# Altium PCB capleak.PcbDoc (part 2 of 2)
Units mm, origin at the board's own origin, x right, y up, seen from the top; angles counter-clockwise.
Board outline 114 x 52 mm, 2 copper layers (Top Layer, Bottom Layer), stack 1.59 mm thick; 91 components, 66 nets, 452 pads, 98 vias.
Unrouted connection lines stored in the file: 26.
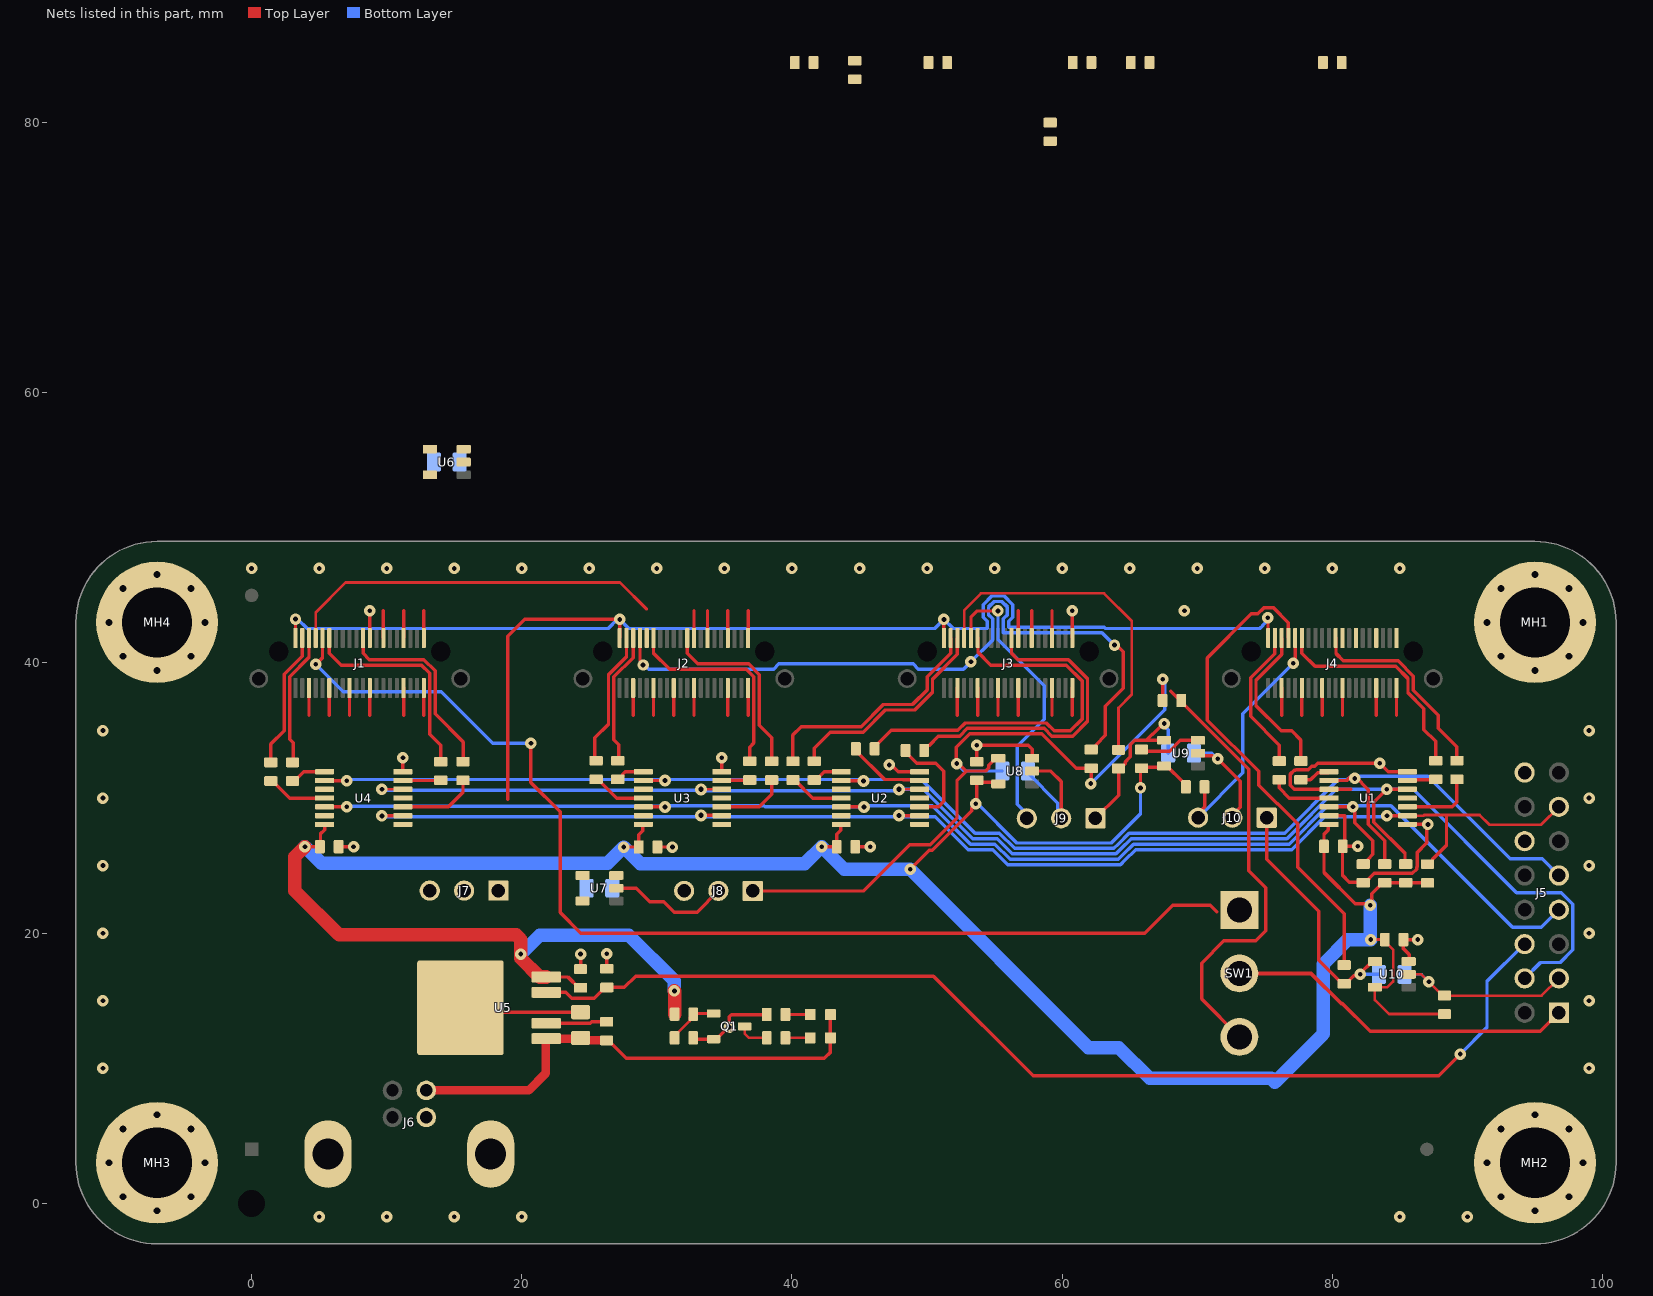
[diagram p2: the nets of this part, all layers, seen from the top]

## Via types
v1: diameter 0.85, hole 0.35, Top Layer to Bottom Layer, tented both sides, 90 vias
v2: diameter 0.889, hole 0.381, Top Layer to Bottom Layer, tented both sides, 8 vias

## Nets (pads, with @x,y where several pads share a name; then routed paths per layer and width w, separated by ;. In a path a pad name is that pad's centre, name@x,y a point inside that pad or via, vN(x,y) a via of type N, cw(c..) or ccw(c..) an arc to the next point about the centre after c; other vN are vias at no path point)
GND: C1.2 C2.1 C3.1 C4.1 C5.1 C6.2 C7.1 C8.2 C9.2 C10.2 C11.2 J1.6 J1.12 J1.18 J1.23 J1.24 J1.27 J1.33 J1.34 J1.39 J1.40 J2.6 J2.12 J2.18 J2.23 J2.24 J2.27 J2.33 J2.34 J2.39 J2.40 J3.6 J3.12 J3.18 J3.23 J3.24 J3.27 J3.33 J3.34 J3.39 J3.40 J4.6 J4.12 J4.18 J4.23 J4.24 J4.27 J4.33 J4.34 J4.39 J4.40 J5.12 J5.16 J6.4 J6.5 J6.6 MH1.1 MH2.1 MH3.1 MH4.1 Q1.2 R2.1 R5.1 R7.1 R9.1 U1.1 U1.4 U1.7 U1.10 U1.13 U2.1 U2.4 U2.7 U2.10 U2.13 U3.1 U3.4 U3.7 U3.10 U3.13 U4.1 U4.4 U4.7 U4.10 U4.13 U5.6 U6.3 U7.3 U8.3 U9.3 U10.3 | length 144.9
  Top Layer w0.254: 4.25,36.125 J1.6@4.25,38.147 J1.6@4.25,38.15 ; 5.75,36.125 J1.12@5.75,38.147 J1.12@5.75,38.15 ; C3.1@6.44,26.4 v1(7.55,26.4) ; 7.25,36.125 J1.18@7.25,38.147 J1.18@7.25,38.15 ; 8.75,36.125 J1.24@8.75,38.147 J1.24@8.75,38.15 ; J1.23@8.75,41.85 v1(8.75,43.875) ; J1.27@9.75,41.85 9.75,43.875 ; U4.7@11.2,31.95 v1(11.2,32.975) ; 11.25,36.125 J1.34@11.25,38.147 J1.34@11.25,38.15 ; J1.33@11.25,41.85 11.25,43.875 ; 12.75,36.125 J1.40@12.75,38.147 J1.40@12.75,38.15 ; J1.39@12.75,41.85 12.75,43.875 ; U5.6@15.462,14.475 15.787,14.15 C7.1@24.35,14.15 ; C1.2@24.35,17.34 v1(24.35,18.45) ; R2.1@26.3,17.365 v1(26.3,18.475) ; 28.25,36.125 J2.6@28.25,38.147 J2.6@28.25,38.15 ; 29.75,36.125 J2.12@29.75,38.147 J2.12@29.75,38.15 ; C2.1@30.04,26.375 v1(31.15,26.375) ; 31.25,36.125 J2.18@31.25,38.147 J2.18@31.25,38.15 ; R9.1@32.69,12.25 32.79,12.15 Q1.2@34.2,12.15 34.4,12.15 v1@35.324,13.074 ; 32.75,36.125 J2.24@32.75,38.147 J2.24@32.75,38.15 ; J2.23@32.75,41.85 32.75,43.875 ; J2.27@33.75,41.85 33.75,43.875 ; U3.7@34.8,31.95 v1(34.8,32.975) ; 35.25,36.125 J2.34@35.25,38.147 J2.34@35.25,38.15 ; J2.33@35.25,41.85 35.25,43.875 ; v1(35.35,13.048) 35.35,13.8 35.525,13.975 R7.1@38.135,13.975 ; 36.75,36.125 J2.40@36.75,38.147 J2.40@36.75,38.15 ; J2.39@36.75,41.85 36.75,43.875 ; C4.1@44.69,26.4 v1(45.8,26.4) ; v1(47.2,32.45) 47.361,32.45 47.861,31.95 U2.7@49.45,31.95 ; 52.25,36.137 J3.6@52.25,38.162 ; C9.2@53.675,32.69 v1(53.675,33.9) 57.5,33.9 57.775,33.625 U8.3@57.775,32.95 ; 53.75,36.137 J3.12@53.75,38.162 ; 55.25,36.137 J3.18@55.25,38.162 ; J3.23@56.75,41.85 56.75,43.875 ; 56.75,36.137 J3.24@56.75,38.162 ; J3.27@57.75,41.85 57.75,43.875 ; 59.25,36.137 J3.34@59.25,38.162 ; J3.33@59.25,41.85 59.25,43.875 ; 60.75,36.137 J3.40@60.75,38.162 ; J3.39@60.75,41.85 v1(60.75,43.875) ; C10.2@65.875,33.59 65.99,33.475 67.956,33.475 68.756,34.275 U9.3@70.05,34.275 ; 76.25,36.125 J4.6@76.25,38.147 J4.6@76.25,38.15 ; 77.75,36.125 J4.12@77.75,38.147 J4.12@77.75,38.15 ; 79.25,36.125 J4.18@79.25,38.147 J4.18@79.25,38.15 ; U1.13@79.75,28.7 80.928,28.7 80.928,26.588 C5.1@80.765,26.425 ; 80.75,36.125 J4.24@80.75,38.147 J4.24@80.75,38.15 ; 81.35,30.65 U1.10@79.75,30.65 77.191,30.65 76.9,30.941 76.9,31.75 76.903,31.753 76.903,31.782 77.171,32.05 77.274,32.05 77.327,32.103 78.232,32.103 78.479,32.35 78.7,32.35 78.925,32.575 v1(83.5,32.575) ; v1(81.875,26.425) C5.1@80.765,26.425 ; 83.25,36.125 J4.34@83.25,38.147 J4.34@83.25,38.15 ; v1(83.5,32.575) 84.126,31.95 U1.7@85.55,31.95 ; 84.75,36.125 J4.40@84.75,38.147 J4.40@84.75,38.15 ; U1.1@85.55,28.05 v1(87.075,28.05) 87,27.975 87,26.7 86.273,25.973 86.273,24.898 86.25,24.875 86.25,24.746 85.929,24.425 83.11,24.425 82.42,23.735 R5.1@82.285,23.735 82.245,23.775 81.25,23.775 80.75,24.275 80.75,26.41 C5.1@80.765,26.425 ; U10.3@85.65,17.9 85.681,17.931 85.681,18.419 85.265,18.835 C11.2@85.265,19.525 v1(86.325,19.525)
  other v1: 5,-1 10,-1 15,-1 20,-1 85,-1 90,-1 -11,10 99,10 -11,15 99,15 -11,20 99,20 -11,25 99,25 -11,30 99,30 -11,35 99,35 69.05,43.875 0,47 5,47 10,47 15,47 20,47 25,47 30,47 35,47 40,47 45,47 50,47 55,47 60,47 65,47 70,47 75,47 80,47 85,47
NetC7_2: C7.2 DS1.2 DS2.2 J6.1 R1.2 U5.1 | length 36.6
  Top Layer w0.254: R1.2@26.275,12.06 26.41,12.06 27.745,10.725 42.375,10.725 42.85,11.2 DS2.2@42.85,12.25 DS1.2@42.85,13.975
  Top Layer w0.635: J6.1@12.93,8.36 20.51,8.36 21.775,9.625 21.775,12.157 U5.1@21.812,12.195 24.295,12.195 C7.2@24.35,12.25 24.54,12.06 R1.2@26.275,12.06
NetDS1_1: DS1.1 R7.2 | length 1.8
  Top Layer w0.2: R7.2@39.515,13.975 DS1.1@41.35,13.975
NetDS2_1: DS2.1 R8.2 | length 1.8
  Top Layer w0.2: R8.2@39.515,12.25 DS2.1@41.35,12.25
NetJ1_3: J1.3 R26.2 | length 10.2
  Top Layer w0.254: R26.2@1.425,32.64 1.425,34 2.419,34.994 2.419,39.161 3.746,40.488 3.746,41.846 J1.3@3.75,41.85
NetJ1_5: J1.5 R25.2 | length 9.9
  Top Layer w0.254: R25.2@3.025,32.64 3.075,32.69 3.075,34.1 2.823,34.352 2.823,38.993 4.25,40.42 J1.5@4.25,41.85
NetJ1_7: J1.7 R14.2 | length 28.1
  Top Layer w0.2: J1.7@4.75,41.85 4.75,43.75 6.95,45.95 27.275,45.95 29.25,43.975
NetJ1_9: J1.9 J7.3 R3.2 | length 84.2
  Top Layer w0.254: v1(4.75,39.9) 5.25,40.4 J1.9@5.25,41.85 ; v1(20.675,34.05) 20.675,31.15 22.844,28.981 22.844,21.531 24.375,20 66.1,20 68.175,22.075 70.948,22.075 71.448,21.575
  Bottom Layer w0.254: v1(4.75,39.9) 6.775,37.875 14.025,37.875 17.85,34.05 v1(20.675,34.05)
NetJ1_11: J1.11 R24.2 | length 16.1
  Top Layer w0.254: J1.11@5.75,41.85 5.75,40.719 6.624,39.845 12.58,39.845 13.177,39.248 13.177,34.723 14,33.9 R24.2@14,32.69
NetJ1_21: J1.21 R23.2 | length 14.6
  Top Layer w0.254: J1.21@8.25,41.85 8.25,40.719 8.72,40.249 12.747,40.249 13.581,39.415 13.581,36.244 15.675,34.15 15.675,32.715 R23.2@15.65,32.69
NetJ2_3: J2.3 R30.2 | length 10.1
  Top Layer w0.254: R30.2@25.5,32.765 25.4,32.865 25.4,34.45 26.419,35.469 26.419,39.138 27.75,40.469 J2.3@27.75,41.85
NetJ2_5: J2.5 R29.2 | length 9.8
  Top Layer w0.254: R29.2@26.994,32.875 27.052,32.875 27.175,32.998 27.175,33.95 26.823,34.302 26.823,38.971 28.25,40.398 J2.5@28.25,41.85
NetJ2_7: J2.7 R15.2 | length 53.4
  Top Layer w0.254: J2.7@28.75,41.85 28.75,40.182 28.975,39.957 v1(28.975,39.85) ; R15.2@62.15,33.59 62.285,33.59 62.518,33.823 62.518,33.958 63.2,34.64 63.2,36.807 64.525,38.132 64.525,40.825 64.025,41.325 v1(63.875,41.325)
  Bottom Layer w0.254: v1(28.975,39.85) 29.104,39.85 29.404,39.55 38.649,39.55 39.027,39.928 48.973,39.928 49.351,39.55 52.7,39.55 v1(53.25,40.1) 54.848,41.698 54.848,43.259 54.548,43.559 54.548,44.141 54.959,44.552 55.541,44.552 55.952,44.141 55.952,43.559 55.652,43.259 55.652,42.25 62.95,42.25 v1(63.875,41.325)
NetJ2_9: J2.9 J8.3 R10.2
NetJ2_11: J2.11 R28.2 | length 15.7
  Top Layer w0.254: J2.11@29.75,41.85 29.75,40.719 30.944,39.525 36.623,39.525 37.177,38.971 37.177,34.075 36.874,33.772 R28.2@36.874,32.715
NetJ2_21: J2.21 R27.2 | length 13.9
  Top Layer w0.254: J2.21@32.25,41.85 32.25,40.719 33.04,39.929 36.791,39.929 37.581,39.138 37.581,35.394 38.499,34.476 R27.2@38.499,32.715
NetJ3_3: J3.3 R34.2 | length 17.8
  Top Layer w0.254: R34.2@40.074,32.715 40.074,34.666 40.683,35.275 42.654,35.275 42.668,35.29 45.118,35.29 46.754,36.925 48.925,36.925 50,38 50,38.969 51.75,40.719 J3.3@51.75,41.85
NetJ3_5: J3.5 R33.2 | length 16.2
  Top Layer w0.254: R33.2@41.649,32.715 41.649,33.699 42.835,34.886 45.285,34.886 46.921,36.521 49.092,36.521 50.404,37.833 50.404,38.802 52.25,40.648 J3.5@52.25,41.85
NetJ3_7: J3.7 R16.2 | length 25.8
  Top Layer w0.2: J3.7@52.75,41.847 52.75,43.9 54,45.15 63.1,45.15 65.15,43.1 65.15,37.65 64.175,36.675 R16.2@64.175,33.565
NetJ3_9: J3.9 J9.3 R11.2 | length 21.6
  Top Layer w0.25: J3.9@53.25,41.847 53.25,43.375 53.725,43.85 v1(55.25,43.85)
  Bottom Layer w0.25: v1(55.25,43.85) 55.25,41.747 58.675,38.322 58.675,35.825 56.675,33.825 56.675,29.548 57.385,28.838 J9.3@57.385,28.5
NetJ3_11: J3.11 R32.2 | length 29.3
  Top Layer w0.254: R32.2@46.115,33.65 46.115,33.785 47.355,35.025 52.285,35.025 52.816,35.556 58.834,35.556 59.411,34.979 60.613,34.979 61.472,35.838 61.472,38.676 60.302,39.846 54.729,39.846 53.773,40.802 53.773,41.827 J3.11@53.75,41.85
NetJ3_21: J3.21 R31.2 | length 24.2
  Top Layer w0.254: R31.2@49.79,33.525 49.79,33.66 50.023,33.893 50.158,33.893 50.84,34.575 52.406,34.575 52.983,35.152 58.667,35.152 59.244,34.575 60.78,34.575 61.876,35.671 61.876,38.843 60.469,40.25 56.719,40.25 56.25,40.719 J3.21@56.25,41.85
NetJ4_3: J4.3 R38.2 | length 10.7
  Top Layer w0.254: J4.3@75.75,41.85 75.75,40.696 73.946,38.892 73.946,36.054 76.075,33.925 R38.2@76.075,32.74
NetJ4_5: J4.5 R37.2 | length 11.7
  Top Layer w0.254: J4.5@76.25,41.85 76.25,40.625 74.35,38.725 74.35,36.845 76.22,34.975 77,34.975 77.675,34.3 R37.2@77.675,32.74
NetJ4_7: J4.7 R17.2 | length 36.1
  Top Layer w0.254: J4.7@76.75,41.85 76.75,42.981 75.659,44.071 74.926,44.071 74.487,43.632 74.011,43.632 70.746,40.367 70.746,35.775 74.543,31.979 74.543,30.957 75.923,29.577 75.952,29.577 77.425,28.104 77.425,24.875 80.875,21.425 R17.2@80.875,17.64
NetJ4_9: J4.9 J10.3 R12.2 | length 19.1
  Top Layer w0.254: J10.3@69.723,28.55 J10.3@70.06,28.55 70.06,28.887 70.54,29.367 R12.2@70.54,30.825 ; v1(77.1,39.975) 77.1,40.136 77.25,40.286 J4.9@77.25,41.847
  Bottom Layer w0.254: J10.3@70.06,28.55 73.375,31.865 73.375,36.25 v1(77.1,39.975)
NetJ4_11: J4.11 R36.2 | length 16.7
  Top Layer w0.254: J4.11@77.75,41.85 77.75,40.719 78.719,39.75 84.7,39.75 85.6,38.85 85.6,37.804 86.78,36.624 86.78,35.07 87.65,34.2 R36.2@87.65,32.765
NetJ4_21: J4.21 R35.2 | length 15.2
  Top Layer w0.254: J4.21@80.25,41.85 80.273,41.827 80.273,40.702 80.821,40.154 84.867,40.154 86.004,39.017 86.004,37.971 87.846,36.129 87.846,35.175 89.225,33.796 R35.2@89.225,32.765
NetJ7_1: J7.1 R14.1 R19.1 U7.4
NetJ7_2: J7.2 R18.2 U6.2
NetJ8_1: J8.1 R15.1 R20.1 R?.2 U8.4 | length 54
  Top Layer w0.25: J8.1@37.095,23.125 45.3,23.125 48.725,26.55 50.225,26.55 52.219,28.544 52.219,31.306 52.912,32 ; U8.4@55.275,32.95 55.075,32.95 54.557,32.432 54.557,32.232 54.325,32 52.912,32 ; v1(62.125,31.075) 62.15,31.1 R15.1@62.15,32.21 61.04,32.21 58.5,34.75 53.15,34.75 52.15,33.75 52.15,32.6 v1(52.2,32.55) 52.362,32.55 52.912,32 ; R?.2@67.435,37.225 67.442,37.233 67.442,38.793 v1(67.45,38.8)
  Bottom Layer w0.25: v1(52.2,32.55) 52.75,32 R20.1@55.575,32 ; v1(62.125,31.075) 67.6,36.55 67.6,38.668 67.468,38.8 v1(67.45,38.8)
NetJ8_2: J8.2 R19.2 U7.2 | length 8.9
  Top Layer w0.254: U7.2@27,23.325 28.475,23.325 29.475,22.325 30.5,22.325 31.275,21.55 32.98,21.55 J8.2@34.555,23.125
NetJ9_1: J9.1 R16.1 R21.1 U9.4 | length 13.4
  Top Layer w0.254: J9.1@62.465,28.5 64.175,30.21 R16.1@64.175,32.185 64.31,32.185 64.661,32.536 64.661,32.671 64.983,32.993 65.05,33.06 65.05,33.168 65.05,33.959 65.366,34.275 66.217,34.275 ; U9.4@67.55,34.275 66.217,34.275 ; v1(67.557,35.518) 67.55,35.525 67.517,35.525 66.721,34.729 66.671,34.729 66.217,34.275
  Bottom Layer w0.254: v1(67.557,35.518) 67.55,35.518 67.55,35.364 67.85,35.064 R21.1@67.85,33.325
NetJ9_2: J9.2 R20.2 U8.2 | length 9.7
  Top Layer w0.25: U8.2@57.775,32 59.15,32 59.925,31.225 J9.2@59.925,28.5
  Bottom Layer w0.25: R20.2@57.475,32 57.475,31.825 59.686,29.614 59.686,28.739 J9.2@59.925,28.5
NetJ10_1: J10.1 R17.1 R22.1 U10.4 | length 19.1
  Top Layer w0.254: J10.1@75.14,28.55 75.14,25.485 79,21.625 79,18 80.74,16.26 R17.1@80.875,16.26 81.01,16.26 81.586,16.836 81.961,16.836 v1(82.075,16.95) 82.075,17.025 82.95,17.9 U10.4@83.15,17.9
  Bottom Layer w0.254: v1(82.075,16.95) R22.1@83.45,16.95
NetJ10_2: J10.2 R21.2 U9.2 | length 8.9
  Top Layer w0.254: U9.2@70.05,33.325 70.248,33.127 71.124,33.127 71.351,32.9 v1(71.513,32.9) 73.175,31.237 73.175,29.306 72.6,28.731 J10.2@72.6,28.55
  Bottom Layer w0.254: R21.2@69.75,33.325 71.082,33.325 71.507,32.9 v1(71.513,32.9)
NetQ1_1: Q1.1 R6.2 R9.2 | length 3.9
  Top Layer w0.2: R9.2@31.31,12.25 31.31,12.385 32.43,13.505 32.43,13.74 R6.2@32.69,14 32.74,14.05 Q1.1@34.2,14.05
NetQ1_3: Q1.3 R8.1 | length 2.3
  Top Layer w0.2: Q1.3@36.5,13.1 36.5,12.575 36.825,12.25 R8.1@38.135,12.25
NetR1_1: R1.1 U5.2 | length 4.5
  Top Layer w0.254: U5.2@21.813,13.335 25.075,13.335 25.18,13.44 R1.1@26.275,13.44
NetR4_1: R4.1 SW1.1
NetR4_2: R4.2 R18.1 U6.4
NetR23_1: R23.1 U4.3 | length 5.8
  Top Layer w0.254: U4.3@11.2,29.35 14.575,29.35 15.65,30.425 R23.1@15.65,31.31
NetR24_1: R24.1 U4.6 | length 2.8
  Top Layer w0.254: U4.6@11.2,31.3 13.99,31.3 R24.1@14,31.31
NetR25_1: R25.1 U4.8 | length 2.7
  Top Layer w0.254: R25.1@3.025,31.26 3.16,31.26 3.85,31.95 U4.8@5.4,31.95
NetR26_1: R26.1 U4.11 | length 4.5
  Top Layer w0.254: R26.1@1.425,31.26 1.56,31.26 2.82,30 U4.11@5.4,30
NetR27_1: R27.1 U3.3 | length 5.1
  Top Layer w0.254: U3.3@34.8,29.35 37.575,29.35 38.499,30.274 R27.1@38.499,31.335
NetR28_1: R28.1 U3.6 | length 2.4
  Top Layer w0.254: U3.6@34.8,31.3 34.817,31.317 37.132,31.317 R28.1@37.15,31.335
NetR29_1: R29.1 U3.8 | length 2.2
  Top Layer w0.254: R29.1@27.1,31.385 27.235,31.385 27.468,31.618 27.468,31.753 27.665,31.95 U3.8@29,31.95
NetR30_1: R30.1 U3.11 | length 4.1
  Top Layer w0.254: R30.1@25.5,31.385 25.635,31.385 27.02,30 U3.11@29,30
NetR31_1: R31.1 U2.3 | length 7.8
  Top Layer w0.254: R31.1@48.41,33.525 48.41,33.39 49.225,32.575 50.65,32.575 51.225,32 51.225,30.5 51.25,30.475 51.25,29.75 50.85,29.35 U2.3@49.45,29.35
NetR32_1: R32.1 U2.6 | length 5.8
  Top Layer w0.254: R32.1@44.735,33.65 44.735,33.515 46.878,31.371 48.224,31.371 48.227,31.368 49.382,31.368 U2.6@49.45,31.3 U2.6@49.48,31.33
NetR33_1: R33.1 U2.8 | length 2.3
  Top Layer w0.254: R33.1@41.649,31.335 41.784,31.335 42.399,31.95 U2.8@43.65,31.95
NetR34_1: R34.1 U2.11 | length 4.1
  Top Layer w0.254: R34.1@40.074,31.335 40.209,31.335 41.544,30 U2.11@43.65,30
NetR35_1: R35.1 U1.3 | length 5.5
  Top Layer w0.254: U1.3@85.55,29.35 88.875,29.35 89.225,29.7 R35.1@89.225,31.385
NetR36_1: R36.1 U1.6 | length 2.1
  Top Layer w0.254: U1.6@85.55,31.3 85.592,31.343 87.608,31.343 R36.1@87.65,31.385
NetR37_1: R37.1 U1.8 | length 2.3
  Top Layer w0.254: R37.1@77.675,31.36 78.385,31.36 78.907,31.882 79.682,31.882 U1.8@79.75,31.95
NetR38_1: R38.1 U1.11 | length 4.6
  Top Layer w0.254: R38.1@76.075,31.36 76.075,30.75 76.825,30 U1.11@79.75,30
NetR?_1: R?.1 SW1.3 | length 33
  Top Layer w0.254: 68.05,37.9 73.825,32.125 73.825,24.625 75.075,23.375 75.075,20.175 74.325,19.425 71.975,19.425 70.325,17.775 70.325,15.125 SW1.3@73.125,12.325
R\S\T\C\P\U\: J5.13 R40.1 U1.2 U2.2 U3.2 U4.2 | length 100.1
  Top Layer w0.2: U1.2@85.55,28.7 86.743,28.7 86.787,28.744 88.45,28.744 90.906,28.744 91.625,28.025 95.445,28.025 J5.13@96.77,29.35
  Top Layer w0.254: v1(9.65,28.675) 9.663,28.687 11.187,28.687 U4.2@11.2,28.7 ; v2(33.275,28.725) 33.288,28.713 34.787,28.713 U3.2@34.8,28.7 ; v2(47.925,28.7) U2.2@49.45,28.7 ; v1(84.041,28.7) U1.2@85.55,28.7 ; R40.1@87.045,25.105 87.18,25.105 87.413,25.338 87.413,25.473 88.45,26.51 88.45,28.744
  Bottom Layer w0.254: v1(9.65,28.675) 9.697,28.629 33.179,28.629 v2(33.275,28.725) 33.372,28.629 47.853,28.629 v2(47.925,28.7) 47.997,28.629 50.607,28.629 53.048,26.188 54.851,26.188 55.98,25.059 64.319,25.059 64.644,25.384 65.448,26.188 76.981,26.188 79.421,28.629 83.97,28.629 v1(84.041,28.7)
T\R\S\T\: J5.4 R41.1 U1.5 U2.5 U3.5 U4.5 | length 116.6
  Top Layer w0.2: v1(9.65,30.65) U4.5@11.2,30.65 ; v2(33.275,30.65) U3.5@34.8,30.65 ; v2@48.25,30.65 U2.5@49.45,30.65
  Top Layer w0.254: v2(47.925,30.65) v2@48.25,30.65 ; R41.1@85.425,25.115 85.381,25.159 85.381,25.919 83.075,28.225 83.075,29.7 v1(84.025,30.65) U1.5@85.55,30.65
  Bottom Layer w0.254: v1(9.65,30.65) 9.721,30.579 33.204,30.579 33.229,30.553 47.828,30.553 v2(47.925,30.65) 49.729,30.65 53.383,26.996 55.186,26.996 56.315,25.867 63.985,25.867 64.31,26.192 65.114,26.996 76.646,26.996 80.3,30.65 v1(84.025,30.65) 85.98,30.65 93.63,23 96.952,23 97.797,22.155 97.797,18.765 96.859,17.827 95.407,17.827 J5.4@94.23,16.65
TCK: J5.7 R5.2 U1.12 U2.12 U3.12 U4.12 | length 109.4
  Top Layer w0.254: U4.12@5.4,29.35 v1(7.05,29.35) ; U3.12@29,29.35 v2(30.6,29.35) ; U2.12@43.65,29.35 v2(45.325,29.35) ; U1.12@79.75,29.35 v1(81.525,29.35) 81.644,29.231 81.644,28.181 83,26.825 83,25.83 82.653,25.483 82.653,25.348 82.42,25.115 R5.2@82.285,25.115
  Bottom Layer w0.254: v1(7.05,29.35) 7.097,29.396 30.553,29.396 v2(30.6,29.35) 30.696,29.446 37.914,29.446 38.011,29.35 45.454,29.35 45.526,29.422 50.386,29.422 53.215,26.592 55.019,26.592 56.148,25.463 64.152,25.463 64.477,25.788 65.281,26.592 76.813,26.592 79.643,29.422 81.453,29.422 v1(81.525,29.35) 81.597,29.422 84.34,29.422 93.336,20.425 95.465,20.425 J5.7@96.77,21.73
TDI: J5.3 R13.2 R22.2 U10.2 | length 14.3
  Top Layer w0.2: U10.2@85.65,16.95 86.59,16.95 88.165,15.375 95.495,15.375 J5.3@96.77,16.65
  Bottom Layer w0.2: R22.2@85.35,16.95 86.6,16.95 v1(87.15,16.4)
TDO: J5.1 SW1.2 | length 26
  Top Layer w0.254: 80.713,14.813 82.8,12.725 95.385,12.725 J5.1@96.77,14.11
  Top Layer w0.297: SW1.2@73.125,17.025 78.425,17.025 80.675,14.775
TMS: J5.9 R39.1 U1.9 U2.9 U3.9 U4.9 | length 111.9
  Top Layer w0.254: U4.9@5.4,31.3 5.413,31.287 7.038,31.287 v1(7.05,31.275) ; U3.9@29,31.3 v2(30.6,31.3) ; U2.9@43.65,31.3 43.663,31.287 45.288,31.287 v2(45.3,31.275) ; U1.9@79.75,31.3 81.053,31.3 81.353,31.6 81.697,31.6 82.671,30.626 82.671,28.058 83.875,26.854 R39.1@83.875,25.115 ; v1(81.665,31.449) v1@81.756,31.54
  Bottom Layer w0.254: v1(7.05,31.275) 7.147,31.371 30.529,31.371 v2(30.6,31.3) 30.671,31.371 45.204,31.371 v2(45.3,31.275) 45.397,31.371 49.579,31.371 53.55,27.4 55.353,27.4 56.482,26.271 63.817,26.271 64.142,26.596 64.946,27.4 76.478,27.4 80.45,31.371 81.125,31.371 81.353,31.6 v1@81.665,31.6 ; v1(81.665,31.449) v1@81.665,31.6 ; J5.9@96.77,24.27 95.54,25.5 93.17,25.5 87.07,31.6 v1@81.665,31.6
VPP: C1.1 C2.2 C3.2 C4.2 C5.2 C6.1 C8.1 C9.1 C10.1 C11.1 R3.1 R6.1 R10.1 R11.1 R12.1 R13.1 R39.2 R40.2 R41.2 U1.14 U2.14 U3.14 U4.14 U5.5 U6.5 U7.5 U8.5 U9.5 U10.5 | length 209.2
  Top Layer w0.2: v1(82.85,19.525) C11.1@83.885,19.525 83.885,19.39 84.5,18.775 84.5,16.425 84.075,16 U10.5@83.15,16 83.15,15.05 84.19,14.01 R13.1@88.3,14.01
  Top Layer w0.25: v1(48.75,24.725) 50.175,26.15 50.391,26.15 53.312,29.072 53.312,29.287 53.338,29.313 53.675,29.65 C9.1@53.675,31.31
  Top Layer w0.254: v1(3.95,26.4) C3.2@5.06,26.4 5.1,26.44 5.1,27.35 5.4,27.65 U4.14@5.4,28.05 ; U5.5@21.812,16.755 23.42,16.755 24.215,15.96 C1.1@24.35,15.96 ; v1(27.55,26.375) C2.2@28.66,26.375 28.66,27.285 28.96,27.585 U3.14@28.96,27.985 ; v1(42.2,26.4) C4.2@43.31,26.4 43.31,27.31 43.61,27.61 U2.14@43.61,28.01 ; C9.1@53.675,31.31 53.805,31.18 55.145,31.18 U8.5@55.275,31.05 ; v1(65.8,30.75) 65.8,32.135 C10.1@65.875,32.21 65.957,32.292 67.467,32.292 U9.5@67.55,32.375 67.75,32.375 68.927,31.198 68.927,31.058 R12.1@69.16,30.825 ; U1.14@79.685,28.035 79.685,27.635 79.385,27.335 C5.2@79.385,26.425 79.385,24.49 81.686,22.189 82.686,22.189 v1(82.8,22.075) 82.922,22.197 82.922,22.916 83.74,23.735 R39.2@83.875,23.735 R41.2@85.425,23.735 85.43,23.73 87.04,23.73 R40.2@87.045,23.725
  Top Layer w1: v1(3.95,26.4) 3.2,25.65 3.2,23.15 6.475,19.875 19.574,19.875 19.925,19.524 19.925,18.142 21.312,16.755 U5.5@21.812,16.755 ; v1(31.3,15.725) 31.31,15.715 R6.1@31.31,14
  Bottom Layer w0.254: v1(53.612,29.587) 53.612,29.575 53.75,29.575 56.65,26.675 63.65,26.675 65.8,28.825 v1(65.8,30.75)
  Bottom Layer w1: v1(3.95,26.4) 5.175,25.175 26.35,25.175 v1(27.55,26.375) 28.775,25.15 40.95,25.15 v1(42.2,26.4) 43.875,24.725 v1(48.75,24.725) 61.95,11.525 64.2,11.525 66.475,9.25 75.469,9.25 75.751,8.967 79.325,12.541 79.325,17.7 81.15,19.525 v1(82.85,19.525) 82.8,19.575 v1(82.8,22.075) ; v1(19.925,18.45) 21.325,19.85 27.925,19.85 31.3,16.475 v1(31.3,15.725)
VSYS: J1.1 J2.1 J3.1 J4.1 J5.6 R2.2 U5.4 | length 187.4
  Top Layer w0.254: J1.1@3.25,41.85 v1(3.25,43.25) ; 18.975,29.9 18.975,41.975 20.225,43.225 v1(27.25,43.225) J2.1@27.25,41.85 ; U5.4@21.812,15.615 23.26,15.615 23.7,15.175 25.355,15.175 26.165,15.985 R2.2@26.3,15.985 27.585,15.985 28.425,16.825 50.475,16.825 57.85,9.45 87.875,9.45 v1(89.475,11.05) ; J3.1@51.25,41.85 v1(51.25,43.225) ; J4.1@75.237,41.862 v1@75.237,43.338
  Bottom Layer w0.254: v1(3.25,43.25) 3.422,43.25 4.122,42.55 26.403,42.55 v1@27.078,43.225 ; v1(27.25,43.225) 27.925,42.55 50.575,42.55 v1(51.25,43.225) 51.925,42.55 54.444,42.55 54.444,43.092 54.144,43.392 54.144,44.308 54.792,44.956 55.708,44.956 56.356,44.308 56.356,43.392 56.056,43.092 56.056,42.654 63.117,42.654 63.221,42.55 74.635,42.55 74.834,42.749 74.834,42.787 75.225,43.178 v1(75.225,43.35) ; v1(89.475,11.05) 91.45,13.025 91.45,16.45 94.19,19.19 J5.6@94.23,19.19
pads on no net: J1.2 J1.4 J1.8 J1.10 J1.13 J1.14 J1.15 J1.16 J1.17 J1.19 J1.20 J1.22 J1.25 J1.26 J1.28 J1.29 J1.30 J1.31 J1.32 J1.35 J1.36 J1.37 J1.38 J1.ME1 J1.ME2 J1.ME3 J1.ME4 J2.2 J2.4 J2.8 J2.10 J2.13 J2.14 J2.15 J2.16 J2.17 J2.19 J2.20 J2.22 J2.25 J2.26 J2.28 J2.29 J2.30 J2.31 J2.32 J2.35 J2.36 J2.37 J2.38 J2.ME1 J2.ME2 J2.ME3 J2.ME4 J3.2 J3.4 J3.8 J3.10 J3.13 J3.14 J3.15 J3.16 J3.17 J3.19 J3.20 J3.22 J3.25 J3.26 J3.28 J3.29 J3.30 J3.31 J3.32 J3.35 J3.36 J3.37 J3.38 J3.ME1 J3.ME2 J3.ME3 J3.ME4 J4.2 J4.4 J4.8 J4.10 J4.13 J4.14 J4.15 J4.16 J4.17 J4.19 J4.20 J4.22 J4.25 J4.26 J4.28 J4.29 J4.30 J4.31 J4.32 J4.35 J4.36 J4.37 J4.38 J4.ME1 J4.ME2 J4.ME3 J4.ME4 J5.2 J5.5 J5.8 J5.10 J5.11 J5.14 J5.15 J6.2 J6.3 ME9.0 ME12.1 ME13.1 ME15.1 U6.1 U7.1 U8.1 U9.1 U10.1

## Polygon pours and split planes (outlines as drawn)
GND on Top Layer "gnd" (solid, remove dead copper, shelved, pour order 0): -14.475,50.013 -14.475,-3.825 101.8,-3.825 101.8,50.275 92.15,50.275
GND on Bottom Layer "gnd" (solid, remove dead copper, shelved, pour order 1): -14.725,50.012 -14.725,-3.825 101.8,-3.825 101.8,50.275 92.15,50.275

## Keep-outs
Keep-Out Layer:
  lines w0.025: -13,3 ccw(c-7,3) -7,-3 95,-3 ccw(c95,3) 101,3 101,43 ccw(c95,43) 95,49 -7,49 ccw(c-7,43) -13,43 -13,3
  lines w0.05: -13,3 ccw(c-7,3) -7,-3 95,-3 ccw(c95,3) 101,3 101,43 ccw(c95,43) 95,49 -7,49 ccw(c-7,43) -13,43 -13,3

## Silkscreen, mask and mechanical layers (free items; w line width, h text height)
Top Overlay:
  circle w0.15: c-2.75,19.5 r0.325
  lines w0.15: -1.334,37.045 cw(c2.825,40.434) -0.968,44.227 ; -0.968,44.225 ccw(c2.825,40.432) -1.334,37.043 ccw(c-1.088,37.289) -1.088,36.941 8,36.941 17.088,36.941 ccw(c17.088,37.289) 17.334,37.043 ccw(c13.175,40.431) 16.968,44.224 ; -0.956,44.212 ccw(c-1.894,45.151) -0.567,45.151 -0.567,45.753 ; -0.956,44.214 ccw(c-1.894,45.153) -0.567,45.153 -0.567,45.756 ccw(c-2.55,47.738) 0.148,48.503 ; 15.852,48.5 ccw(c18.55,47.736) 16.567,45.753 16.567,45.151 ccw(c17.894,45.151) 16.956,44.212 ; 22.666,37.045 cw(c26.825,40.434) 23.032,44.227 ; 23.032,44.225 ccw(c26.825,40.432) 22.666,37.043 ccw(c22.912,37.289) 22.912,36.941 32,36.941 41.088,36.941 ccw(c41.088,37.289) 41.334,37.043 ccw(c37.175,40.431) 40.968,44.224 ; 23.044,44.212 ccw(c22.106,45.151) 23.433,45.151 23.433,45.753 ccw(c21.45,47.736) 24.147,48.503 cw(c21.45,47.738) 23.433,45.756 ; 40.567,45.753 40.567,45.151 ccw(c41.894,45.151) 40.956,44.212 ; 46.666,37.045 cw(c50.825,40.434) 47.032,44.227 ; 47.032,44.225 ccw(c50.825,40.432) 46.666,37.043 ccw(c46.912,37.289) 46.912,36.941 56,36.941 65.088,36.941 ccw(c65.088,37.289) 65.334,37.043 ccw(c61.175,40.431) 64.968,44.224 ; 47.044,44.212 ccw(c46.106,45.151) 47.433,45.151 47.433,45.753 ccw(c45.45,47.736) 48.147,48.503 cw(c45.45,47.738) 47.433,45.756 47.433,45.153 cw(c46.106,45.153) 47.044,44.214 ; 63.852,48.5 ccw(c66.55,47.736) 64.567,45.753 64.567,45.151 ccw(c65.894,45.151) 64.956,44.212 ; 70.666,37.045 cw(c74.825,40.434) 71.032,44.227 ; 71.032,44.225 ccw(c74.825,40.432) 70.666,37.043 ccw(c70.912,37.289) 70.912,36.941 80,36.941 89.088,36.941 ccw(c89.088,37.289) 89.334,37.043 ccw(c85.175,40.431) 88.968,44.224 ; 71.044,44.212 ccw(c70.106,45.151) 71.433,45.151 71.433,45.753 ccw(c69.45,47.736) 72.147,48.503 ; 71.044,44.214 ccw(c70.106,45.153) 71.433,45.153 71.433,45.756 ccw(c69.45,47.738) 72.148,48.503 ; 87.852,48.5 ccw(c90.55,47.736) 88.567,45.753 88.567,45.151 ccw(c89.894,45.151) 88.956,44.212 ; -3.4,19.85 cw(c0.099,23.35) -4.85,23.35 cw(c-2.013,23.35) -4.019,25.356 cw(c-2.283,23.62) -2.283,26.075 cw(c-2.283,22.615) 0.163,25.062 cw(c-2.641,22.257) 1.325,22.257 1.325,21.519 cw(c-0.894,21.519) 0.675,19.95 0.675,20.289 ccw(c-0.861,20.289) 0.225,21.375 ccw(c-0.982,20.168) -0.982,21.875 ccw(c-0.982,20.685) -1.824,21.526 ccw(c-0.794,20.497) -2.25,20.497 -2.25,20.308 ccw(c-1.567,20.308) -2.05,19.825 -1.399,19.174 cw(c-2.424,18.15) -0.975,18.15 -0.975,15.21 cw(c-2.085,15.21) -1.3,14.425 -1.406,14.319 ccw(c-0.936,13.85) -1.6,13.85 ccw(c-0.936,13.85) -1.406,13.381 ccw(c-0.849,13.937) -0.849,13.15 0.9,13.15 0.9,14.93 cw(c3.486,14.93) 1.658,16.759 cw(c3.929,14.487) 3.929,17.7 cw(c3.929,13.847) 6.653,16.572 cw(c4.429,14.347) 7.575,14.347 7.575,13.652 cw(c4.673,13.652) 6.725,11.6 ccw(c4.462,11.6) 6.062,13.2 ccw(c4.433,11.571) 4.433,13.875 4.361,13.875 ccw(c4.361,12.339) 3.275,13.425 ccw(c4.12,12.58) 2.925,12.58 2.925,10.35 cw(c2.201,10.35) 2.713,9.838 1.876,9.001 ccw(c2.601,8.275) 1.575,8.275 ccw(c2.058,8.275) 1.716,7.934 2.6,7.05 ccw(c2.479,6.929) 2.479,7.1 -2.275,7.1 -1.445,7.93 ccw(c-2.64,9.125) -0.95,9.125 ccw(c-3.002,9.125) -1.551,10.576 -2.038,11.063 cw(c0.95,14.05) -3.275,14.05 cw(c-1.344,14.05) -2.709,15.416 -2.374,15.751 ccw(c-4.422,17.8) -1.525,17.8 ccw(c-2.491,17.8) -1.808,18.483 ccw(c-2.03,18.26) -2.03,18.575 ccw(c-2.03,18.286) -2.235,18.49 ccw(c-1.715,17.97) -2.45,17.97 -2.45,17.774 cw(c-3.474,17.774) -2.75,17.05 cw(c-3.716,18.016) -3.716,16.65 cw(c-3.716,17.638) -4.414,16.939 cw(c-3.665,17.689) -4.725,17.689 cw(c-3.371,17.689) -4.328,18.647 -3.721,19.254 ccw(c-3.891,19.425) -3.65,19.425 -4.515,19.425 ccw(c-4.515,18.315) -5.3,19.1 cw(c-4.696,19.1) -5.123,19.527 cw(c-4.343,18.746) -4.343,19.85 -3.4,19.85 ; -3.4,19.85 -3.4,19.85 ; 51.425,11.425 ccw(c52.425,11.425) 52.425,10.425 76.425,10.425 ccw(c76.425,11.425) 77.425,11.425 77.425,25.425 ccw(c76.425,25.425) 76.425,26.425 71.925,26.425 52.425,26.425 ccw(c52.425,25.425) 51.425,25.425 51.425,11.425
  text "TARGET 4" at -0.95,34.45 h2
  text "TARGET 3" at 23.075,34.4 h2
  text "TARGET 2" at 47,34.4 h2
  text "TARGET 1" at 71.05,34.4 h2
  text "N" at 66.588,27.275 h2
  text "B" at 76.652,27.261 h2
  text "N" at 53.912,27.225 h2
  text "B" at 63.977,27.211 h2
  text "MODE" at 51.925,23.844 h2
  text "N" at 9.718,21.877 h2
  text "B" at 19.782,21.863 h2
  text "N" at 28.543,21.852 h2
  text "B" at 38.607,21.838 h2
  text "Great Adaptor for Lauterbach Obsolescence V2" at 2.624,19.776 h2
  text "2 TARGET" at 58.669,19.359 h2
  text "POWER" at 29.05,17.144 h2
  text "JTAG HOST" at 90.375,16.65 h2 r90
  text "4 TARGET" at 58.754,14.484 h2
  text "USB" at 43.695,13.294 h2
  text "SYS" at 43.695,10.769 h2
Top Assembly:
  lines w0.05: -32.389,63.938 -32.389,63.938

## Text inside footprints (layer, text, board x,y; h text height)
DS1: Top Assembly "K" at 40.95,13.575 h0.6
DS2: Top Assembly "K" at 40.95,11.85 h0.6
J1: Top Assembly "1" at 3.4,42.597 h0.8 r180
J2: Top Assembly "1" at 27.4,42.597 h0.8 r180
J3: Top Assembly "1" at 51.4,42.597 h0.8 r180
J4: Top Assembly "1" at 75.4,42.597 h0.8 r180
J5: Top Assembly "1" at 97.536,13.36 h1 r90
J7: Top Assembly "1" at 19.005,23.9 h1 r180
J8: Top Assembly "1" at 37.83,23.875 h1 r180
J9: Top Assembly "1" at 63.2,29.25 h1 r180
J10: Top Assembly "1" at 75.875,29.3 h1 r180
ME3: Top Overlay "PCB" at 21,7.938 h1.5; Top Overlay "BOARD: / PCB:" at 27.5,-1.15 h1; Top Overlay "S" at 27.5,4.819 h2.54; Top Overlay "S" at 21.7,3.406 h5; Top Assembly "PCB" at 21,7.938 h1.5; Top Assembly "BOARD: / PCB:" at 27.5,-1 h1; Top Assembly "S" at 21.7,3.406 h5; Top Assembly "S" at 27.5,4.819 h2.54
ME6: Top Overlay "ASSEMBLY" at 61,7.938 h1.5; Top Assembly "ASSEMBLY" at 61,7.938 h1.5
ME7: Top Overlay "FAB" at 51,7.938 h1.5; Top Assembly "FAB" at 51,7.938 h1.5
ME8: Top Overlay "TEST" at 71,7.938 h1.5; Top Assembly "TEST" at 71,7.938 h1.5
Q1: Top Assembly "1" at 33.7,13.75 h0.3
U1: Top Assembly "1" at 86.25,28.245 h0.3 r180
U2: Top Assembly "1" at 50.15,28.245 h0.3 r180
U3: Top Assembly "1" at 35.5,28.245 h0.3 r180
U4: Top Assembly "1" at 11.9,28.245 h0.3 r180
U5: Top Assembly "1" at 22.912,12.595 h0.3 r180
U6: Top Assembly "1" at 16.225,54.25 h0.3 r180
U7: Top Assembly "1" at 27.525,22.7 h0.3 r180
U8: Top Assembly "1" at 58.3,31.375 h0.3 r180
U9: Top Assembly "1" at 70.575,32.7 h0.3 r180
U10: Top Assembly "1" at 86.175,16.325 h0.3 r180